# Altium PCB LAY-94611_B.PcbDoc (part 1 of 16) (continued)
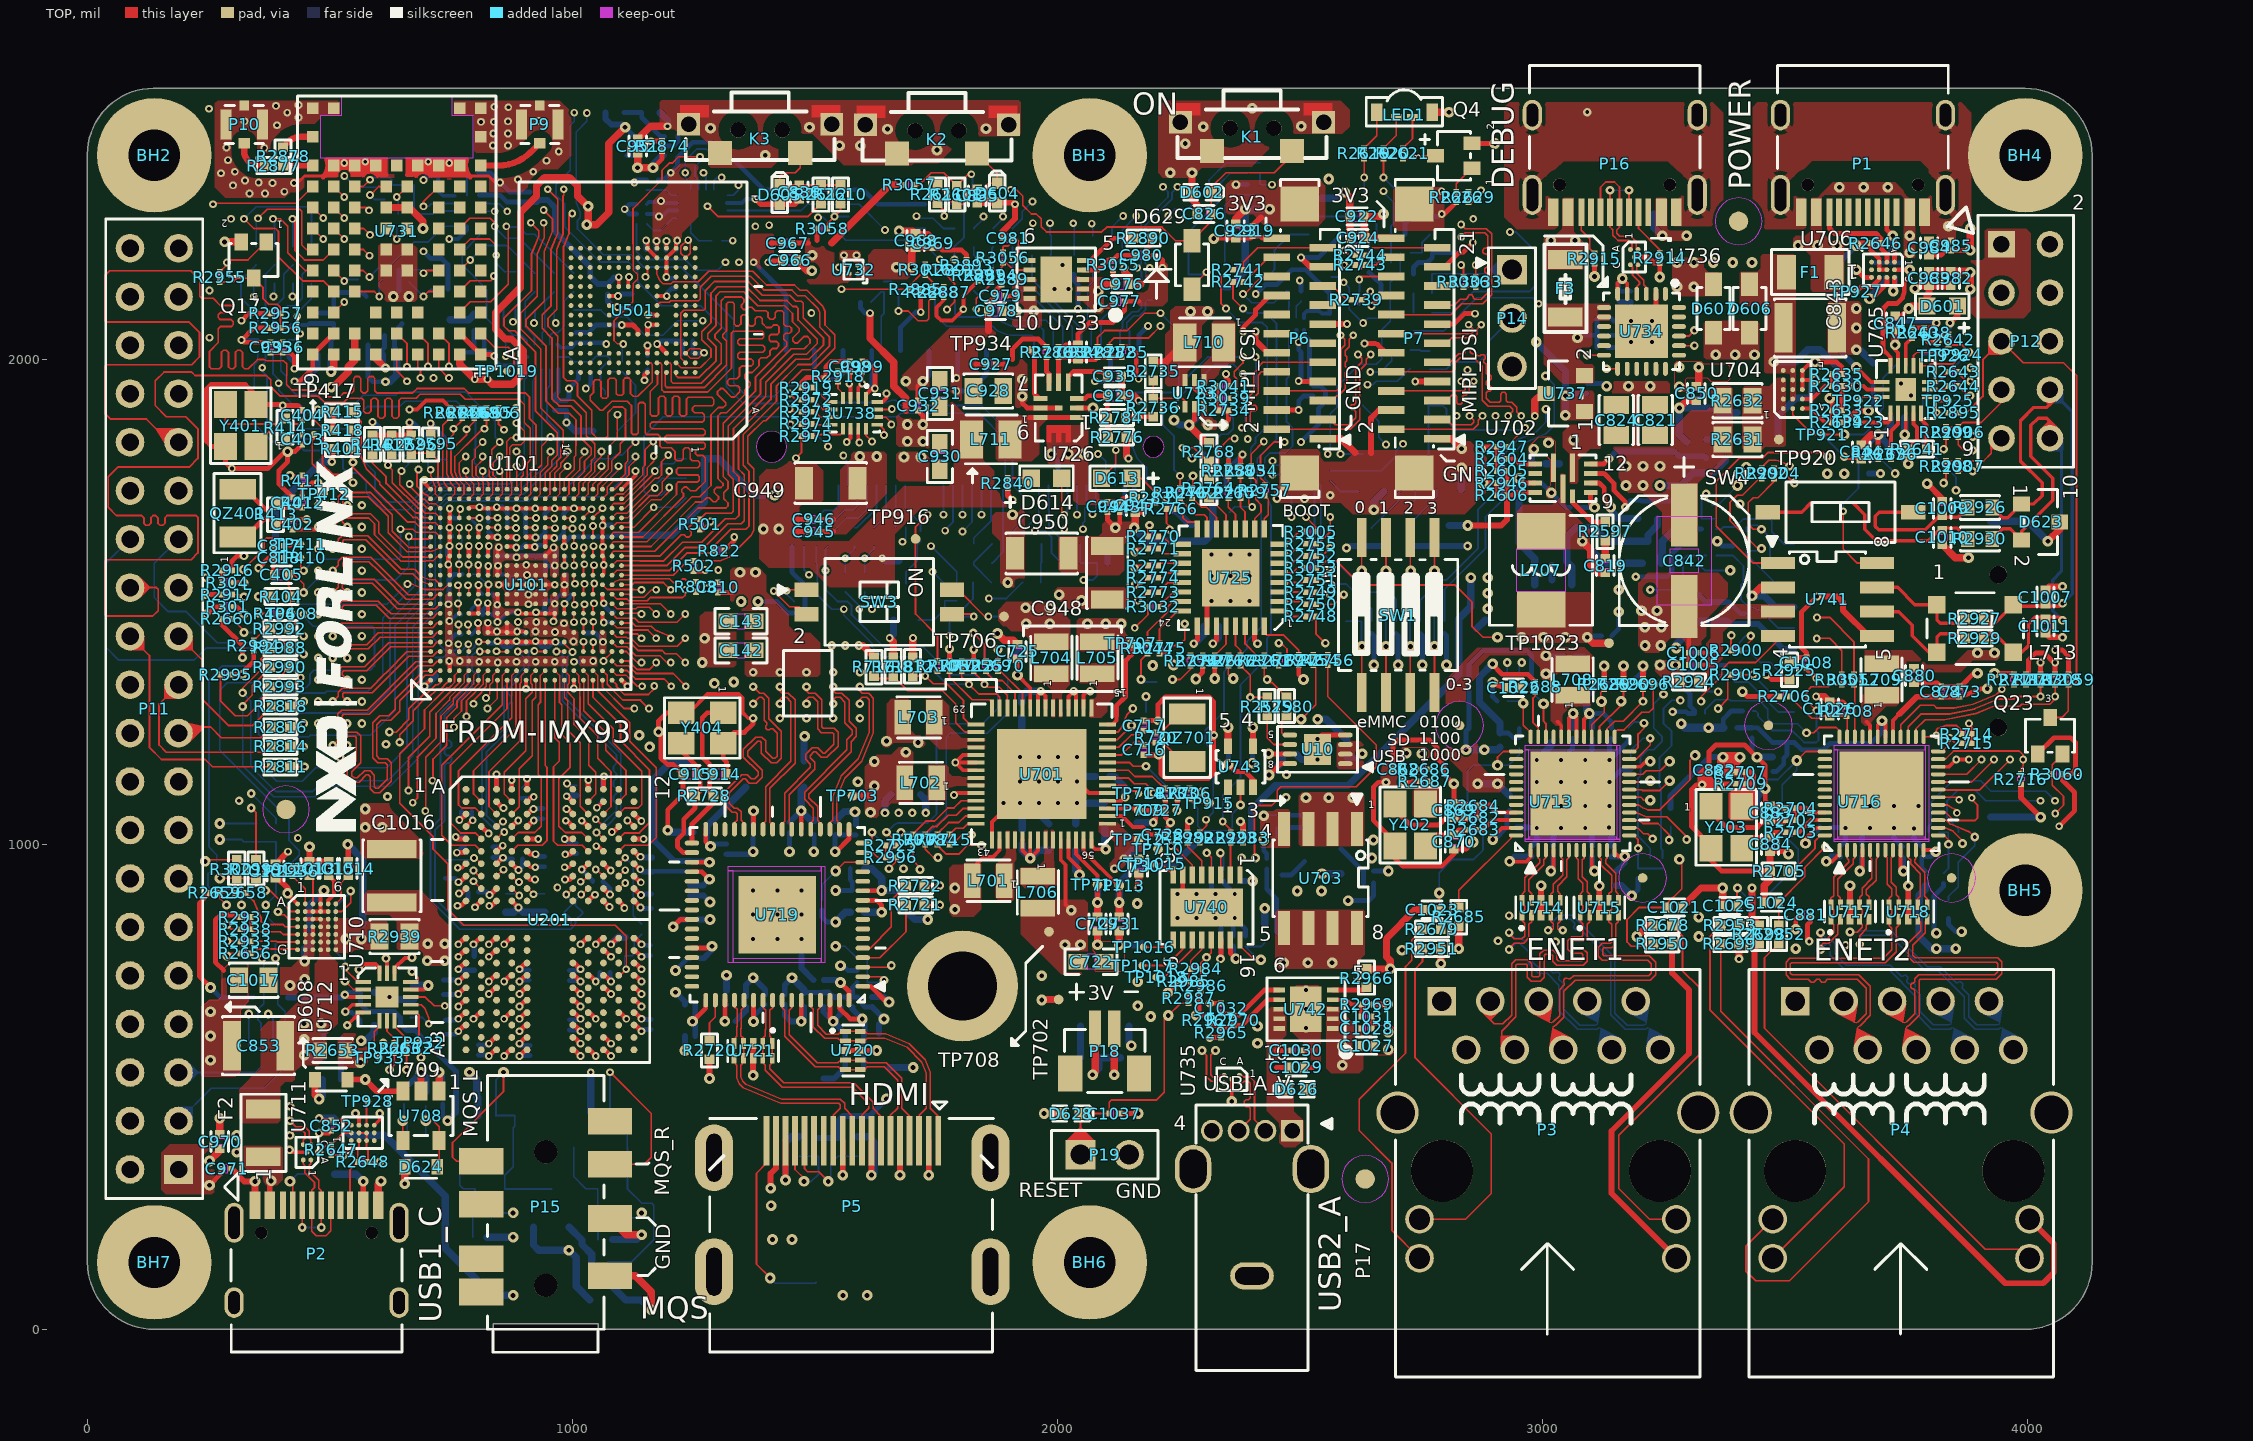
[diagram p0: TOP view]
## Components (designator, comment, footprint, x,y, rotation, side; value= is the part's Value field where it differs from the comment)
BH1 "SMTSO-M2.5-5ET" MH244-166T_202H 1804.49,707.92 r180 bottom
BH2 "MOUNTING HOLE" HOLE2_7_6 137.8,2421.26 r0 top
BH3 "MOUNTING HOLE" HOLE2_7_6 2066.93,2421.26 r0 top
BH4 "MOUNTING HOLE" HOLE2_7_6 3996.06,2421.25 r0 top
BH5 "MOUNTING HOLE" HOLE2_7_6 3996.06,905.51 r0 top
BH6 "MOUNTING HOLE" HOLE2_7_6 2066.93,137.79 r0 top
BH7 "MOUNTING HOLE" HOLE2_7_6 137.8,137.79 r0 top
C101 "1uF" C0201 836.43,1556.81 r0 bottom
C102 "1uF" C0201 834.25,1595.58 r0 bottom
C106 "1uF" C0201 933.76,1554.63 r0 bottom
C107 "1uF" C0201 866.96,1541.77 r270 bottom
C108 "10uF" C0402 866.8,1491.18 r90 bottom
C109 "1uF" C0201 933.86,1574.07 r0 bottom
C110 "1uF" C0201 865.93,1584.47 r270 bottom
C111 "1uF" C0201 888,1557.4 r90 bottom
C114 "1uF" C0201 891.25,1514.8 r270 bottom
C116 "1uF" C0201 886.76,969.85 r180 bottom
C117 "1uF" C0201 1052.48,923.5 r0 bottom
C118 "1uF" C0201 782.8,1557 r180 bottom
C119 "1uF" C0201 1173.85,2081.48 r270 bottom
C124 "10uF" C0402 942.81,1517.22 r90 bottom
C129 "1uF" C0201 1081.28,1648.09 r270 bottom
C130 "1uF" C0201 903.02,1629.11 r270 bottom
C131 "1uF" C0201 824.93,1474.25 r0 bottom
C132 "1uF" C0201 865.58,1642.07 r270 bottom
C134 "1uF" C0201 976.61,1593.04 r180 bottom
C135 "1uF" C0201 824.64,1516.17 r0 bottom
C136 "10uF" C0402 944.02,1421.74 r90 bottom
C137 "1uF" C0201 942.34,1469.73 r270 bottom
C138 "1uF" C0201 1022.39,1386.92 r90 bottom
C139 "1uF" C0201 795.38,901.78 r0 bottom
C140 "1uF" C0201 982.78,1424.68 r90 bottom
C141 "1uF" C0201 1160.84,781.53 r90 bottom
C142 "22uF" C0603 1347.8,1400 r0 top
C143 "22uF" C0603 1347.8,1460 r0 top
C144 "1uF" C0201 781.48,1433.19 r180 bottom
C145 "1uF" C0201 985.42,1515.28 r180 bottom
C146 "1uF" C0201 942.18,1606.38 r90 bottom
C147 "1uF" C0201 827.37,1654.71 r270 bottom
C148 "1uF" C0201 778.41,1672.61 r180 bottom
C149 "1uF" C0201 780.99,1474.25 r180 bottom
C151 "10uF" C0402 865.32,1421.62 r90 bottom
C152 "1uF" C0201 782.03,1068.26 r180 bottom
C153 "1uF" C0201 806.16,576.09 r90 bottom
C154 "1uF" C0201 993.88,627.86 r90 bottom
C155 "1uF" C0201 1072.8,2145 r90 bottom
C156 "1uF" C0201 973.09,1477 r180 bottom
C201 "10uF" C0402 1164.57,958.13 r90 bottom
C202 "10uF" C0402 734.06,705.28 r270 bottom
C203 "1uF" C0201 1212.85,2156.92 r90 bottom
C204 "1uF" C0201 1084.53,1468.44 r270 bottom
C205 "1uF" C0201 975.34,1556.65 r180 bottom
C206 "10uF" C0402 1163.75,882.82 r270 bottom
C207 "10uF" C0402 797.8,755 r270 bottom
C208 "1uF" C0201 1008.79,991.84 r270 bottom
C209 "1uF" C0201 1162.05,2226.12 r180 bottom
C210 "1uF" C0201 905.52,1466.23 r270 bottom
C211 "1uF" C0201 994.32,729.65 r90 bottom
C212 "1uF" C0201 1015.27,1436.23 r0 bottom
C213 "1uF" C0201 911.14,730.53 r90 bottom
C214 "1uF" C0201 943.14,964.29 r90 bottom
C215 "10uF" C0402 738.66,623.34 r90 bottom
C216 "1uF" C0201 1162.27,628.48 r90 bottom
C217 "1uF" C0201 836.36,983.75 r90 bottom
C218 "1uF" C0201 912.8,575 r90 bottom
C219 "1uF" C0201 1061.96,1102.72 r270 bottom
C220 "1uF" C0201 826,1425.56 r90 bottom
C221 "1uF" C0201 939.21,1063.39 r270 bottom
C222 "1uF" C0201 903.02,1423.22 r90 bottom
C401 "18pF" C0201 422.8,1705 r90 top
C402 "18pF" C0201 422.8,1660 r270 top
C403 "18pF" C0201 442.8,1835 r270 top
C404 "18pF" C0201 442.8,1885 r90 top
C405 "100nF" C0402 399.8,1556 r180 top
C501 "4.7uF" C0402 1122.8,2120 r90 bottom
C502 "220nF" C0201 943.8,1664 r270 bottom
C503 "220nF" C0201 982.3,1664 r270 bottom
C504 "10uF" C0402 1155.12,1992.82 r90 bottom
C505 "220nF" C0201 777.47,1004.56 r270 bottom
C506 "220nF" C0201 1203.68,2225.81 r180 bottom
C507 "220nF" C0201 1067.17,736.23 r0 bottom
C508 "220nF" C0201 1237.71,2012.59 r180 bottom
C509 "1uF" C0201 1237.76,2038.4 r180 bottom
C701 "10uF" C0603 1852.8,1185 r180 bottom
C702 "10uF" C0603 1852.8,1125 r180 bottom
C703 "22uF" C0603 1877.8,1015 r270 bottom
C704 "1uF" C0402 1927.8,1015 r270 bottom
C705 "22uF" C0603 1787.8,1000 r270 bottom
C706 "1uF" C0402 2092.8,1140 r180 bottom
C707 "22uF" C0603 1657.8,1130 r90 bottom
C708 "22uF" C0603 1717.8,1130 r90 bottom
C709 "10uF" C0603 2037.8,1015 r90 bottom
C710 "22uF" C0603 1712.8,1280 r270 bottom
C711 "22uF" C0603 1652.8,1280 r270 bottom
C712 "10uF" C0603 2094.8,1250 r270 bottom
C713 "10uF" C0603 2097.8,1060 r90 bottom
C714 "22uF" C0603 1987.8,1415 r0 bottom
C715 "22uF" C0603 1987.8,1360 r0 bottom
C716 "18pF" C0201 2177.8,1195 r270 top
C717 "18pF" C0201 2177.8,1245 r90 top
C718 "10uF" C0603 2036.8,1250 r270 bottom
C719 "22uF" C0603 2104.8,1360 r0 bottom
C720 "22uF" C0603 2104.8,1415 r0 bottom
C721 "10uF" C0603 1977.8,1250 r270 bottom
C722 "22uF" C0603 2069.8,758 r0 top
C723 "22uF" C0603 2095.8,841 r0 bottom
C724 "1uF" C0402 1926.8,1277 r270 bottom
C725 "4.7uF" C0402 1917.8,1398 r90 top
C726 "10uF" C0603 1982.8,1015 r270 bottom
C727 "1uF" C0201 2212.8,1070 r0 top
C728 "1uF" C0201 2217.8,1020 r0 top
C729 "4.7uF" C0402 2082.8,836 r270 top
C730 "4.7uF" C0402 2167.8,955 r270 top
C731 "4.7uF" C0402 2127.8,836 r270 top
C810 "18pF" C0201 1299.8,1530 r270 top
C813 "18pF" C0201 2222.8,1105 r270 top
C814 "100nF" C0402 410,1873 r180 bottom
C815 "100nF" C0402 2478.8,1185 r180 bottom
C817 "1uF" C0201 394.8,1616 r180 top
C818 "1uF" C0201 394.8,1591 r180 top
C819 "220nF" C0402 3129.8,1575 r270 top
C820 "10uF" C0805 3232.8,1875 r270 bottom
C821 "10uF" C0805 3232.8,1875 r90 top
C822 "100nF" C0402 3232.8,1625 r180 bottom
C823 "10uF" C0805 3152.8,1875 r270 bottom
C824 "10uF" C0805 3152.8,1875 r90 top
C825 "100nF" C0402 2992.8,1785 r180 bottom
C826 "100nF" C0402 2302.8,2300 r180 top
C827 "22uF" C0603 3087.8,1475 r0 bottom
C828 "22uF" C0603 3087.8,1535 r0 bottom
C829 "22uF" C0603 2957.8,1475 r180 bottom
C830 "22uF" C0603 2957.8,1535 r180 bottom
C831 "100nF" C0201 3132.8,1430 r0 bottom
C832 "100nF" C0402 3297.8,1815 r270 bottom
C833 "100nF" C0201 2987.8,1745 r0 bottom
C834 "1uF" C0201 3067.8,1695 r180 bottom
C835 "100nF" C0402 1835,2337.2 r270 top
C836 "100nF" C0402 1467.8,2345 r270 top
C837 "22uF" C0603 2562.8,1050 r0 bottom
C838 "1uF" C0201 2462.8,1060 r180 bottom
C839 "22uF" C0603 2545.8,826 r270 bottom
C840 "22uF" C0603 2485.8,826 r270 bottom
C842 "100uF" CCE6P3X7P7 3292.8,1585 r270 top
C843 "4.7uF" C1210 3552.8,2065 r0 top
C844 "220nF" C0402 3657.8,1809.25 r90 top
C845 "2.2uF" C0402 3727.8,1815 r0 bottom
C846 "4.7uF" C0402 3732.8,1880 r180 bottom
C847 "100nF" C0402 3727.8,2075 r270 top
C848 "100nF" C0201 3717.8,2170 r180 bottom
C849 "4.7uF" C1210 3387.8,2104.5 r270 bottom
C850 "2.2uF" C0402 3317.8,1930 r270 top
C851 "100nF" C0402 697.8,475 r270 bottom
C852 "100nF" C0201 502.8,420 r270 top
C853 "4.7uF" C1210 352.8,585 r180 top
C854 "2.2uF" C0402 576.8,626 r180 bottom
C855 "4.7uF" C0402 577.8,695 r0 bottom
C856 "100nF" C0402 672.8,695 r270 bottom
C857 "10uF" C0402 3017.8,1225 r90 bottom
C858 "100nF" C0201 3062.8,1229.25 r90 bottom
C859 "1uF" C0201 3102.8,1229.25 r90 bottom
C860 "100nF" C0201 3142.8,1229.25 r90 bottom
C861 "1uF" C0201 3142.8,985.75 r270 bottom
C862 "100nF" C0201 2977.8,985.75 r270 bottom
C863 "100nF" C0201 2937.8,1035 r0 bottom
C864 "100nF" C0201 3022.8,985.75 r270 bottom
C865 "100nF" C0201 3102.8,985.75 r270 bottom
C866 "10uF" C0402 3056.8,1346 r0 bottom
C867 "100nF" C0201 3056.8,1389 r0 bottom
C868 "1uF" C0201 2702.8,1155 r180 top
C869 "22pF" C0402 2817.8,1070 r90 top
C870 "22pF" C0402 2817.8,1005 r270 top
C871 "10uF" C0402 3475,1195 r90 bottom
C872 "100nF" C0201 3432.8,1230 r90 bottom
C873 "1uF" C0201 3860.8,1315 r90 top
C874 "100nF" C0201 3822.8,1315 r90 top
C875 "1uF" C0201 3782.8,985 r270 bottom
C876 "100nF" C0201 3614.8,985.75 r270 bottom
C877 "100nF" C0201 3659.8,985.75 r270 bottom
C878 "100nF" C0201 3582.8,1035 r0 bottom
C879 "100nF" C0201 3742.8,985 r270 bottom
C880 "10uF" C0402 3766.8,1348 r270 top
C881 "100nF" C0201 3542.8,855 r0 top
C882 "1uF" C0201 3354.8,1153 r180 top
C883 "22pF" C0402 3469.8,1065 r90 top
C884 "22pF" C0402 3469.8,1000 r270 top
C885 "10uF" C0402 1617.8,610 r0 bottom
C886 "100nF" C0201 1577.8,675 r270 bottom
C887 "10uF" C0402 1587.8,950 r180 bottom
C888 "100nF" C0201 1587.8,905 r180 bottom
C889 "10uF" C0402 1317.8,684.25 r270 bottom
C890 "100nF" C0201 1357.8,675.75 r270 bottom
C891 "10uF" C0402 1587.8,860 r180 bottom
C892 "100nF" C0201 1242.8,670 r180 bottom
C893 "100nF" C0201 1507.8,720 r180 bottom
C894 "100nF" C0201 1242.8,955 r90 bottom
C895 "100nF" C0201 1242.8,605 r180 bottom
C896 "10uF" C0402 1262.8,1025 r180 bottom
C897 "100nF" C0201 1317.8,990 r90 bottom
C898 "10uF" C0402 1498.8,1035 r90 bottom
C899 "100nF" C0201 1447.8,1035 r90 bottom
C900 "100nF" C0201 1247.8,845 r0 bottom
C901 "10uF" C0402 1517.8,680 r270 bottom
C902 "100nF" C0201 1552.8,675 r270 bottom
C903 "10uF" C0402 1542.8,1035 r270 bottom
C904 "100nF" C0201 1584.8,1030 r270 bottom
C905 "100nF" C0201 1372.8,1025 r90 bottom
C906 "100nF" C0201 1242.8,905 r90 bottom
C907 "100nF" C0201 1252.8,765 r180 bottom
C908 "10uF" C0402 1477.8,680 r270 bottom
C909 "100nF" C0201 1397.8,680 r270 bottom
C910 "100nF" C0201 1437.8,680 r270 bottom
C911 "100nF" C0201 1602.8,125 r270 bottom
C912 "10uF" C0402 1567.8,125 r270 bottom
C913 "1uF" C0402 1447.8,235 r90 bottom
C914 "15pF" C0402 1302.8,1145 r180 top
C915 "15pF" C0402 1242.8,1145 r0 top
C916 "1uF" C0201 1597.8,715 r180 bottom
C917 "10uF" C0402 2302.8,1900 r180 bottom
C918 "10uF" C0402 2301.8,2061 r0 bottom
C919 "100nF" C0201 2402.8,2265 r90 top
C920 "100nF" C0201 2527.8,1935 r90 bottom
C921 "100nF" C0201 2561.8,2083.98 r90 bottom
C922 "10uF" C0402 2617.8,2295 r180 top
C923 "10uF" C0402 2367.8,2265 r90 top
C924 "10uF" C0402 2619.8,2250.5 r180 top
C925 "100nF" C0402 2317.8,1450 r180 bottom
C926 "100nF" C0201 2324.8,1379 r270 top
C927 "100nF" C0201 1862.8,1990 r180 top
C928 "47uF" C0805 1857.8,1935 r180 top
C929 "1000pF" C0402 2117.8,1925 r180 top
C930 "22uF" C0603 1757.8,1800 r270 top
C931 "22uF" C0603 1757.8,1930 r90 top
C932 "100nF" C0201 1712.8,1905 r90 top
C933 "1000pF" C0402 2117.8,1965 r0 top
C934 "100nF" C0402 2042.8,2015 r90 top
C935 "1uF" C0201 377.8,2025 r90 top
C936 "10nF" C0201 402.8,2025 r90 top
C937 "10nF" C0201 482.8,2085 r270 bottom
C938 "1uF" C0201 457.8,2085 r270 bottom
C939 "1uF" C0201 962.8,1905 r90 bottom
C940 "10nF" C0201 987.8,1905 r90 bottom
C941 "1uF" C0201 1032.8,2045 r270 bottom
C942 "10nF" C0201 1007.8,2045 r270 bottom
C943 "100nF" C0201 2128.8,1696 r90 top
C944 "100nF" C0201 2103.8,1696 r90 top
C945 "100nF" C0201 1497.8,1645 r0 top
C946 "100nF" C0201 1497.8,1670 r0 top
C947 "10uF" C0402 2160.8,1699 r90 top
C948 "100uF" C1206 2102.8,1560 r270 top
C949 "100uF" C1206 1532.8,1745 r0 top
C950 "100uF" C1206 1967.8,1600 r180 top
C951 "10uF" C0402 1135,2440 r90 top
C952 "10uF" C0402 1072.8,2275 r0 bottom
C953 "100nF" C0201 1072.8,2310 r0 bottom
C954 "22uF" C0603 747.8,2055 r270 bottom
C955 "22uF" C0603 687.8,2055 r270 bottom
C956 "1uF" C0201 807.8,2060 r0 bottom
C957 "100nF" C0201 807.8,2015 r0 bottom
C958 "100nF" C0201 507.8,2085 r270 bottom
C959 "10uF" C0402 487.8,2010 r180 bottom
C960 "22uF" C0603 1412.8,1585 r90 bottom
C961 "22uF" C0603 592.8,2090 r0 bottom
C962 "1uF" C0201 567.8,2005 r0 bottom
C963 "100nF" C0201 567.8,2030 r0 bottom
C964 "100nF" C0201 622.8,2050 r0 bottom
C965 "10uF" C0402 622.8,2010 r0 bottom
C966 "10uF" C0402 1447.8,2205 r180 top
C967 "100nF" C0201 1442.8,2240 r180 top
C968 "10uF" C0402 1707.8,2245 r90 top
C969 "100nF" C0201 1742.8,2240 r90 top
C970 "10uF" C0402 272.8,387 r90 top
C971 "100nF" C0201 286.8,331 r0 top
C972 "10uF" C0402 362.8,420 r0 bottom
C973 "100nF" C0201 362.8,385 r0 bottom
C976 "10uF" C0402 2132.8,2155 r0 top
C977 "100nF" C0201 2127.8,2120 r0 top
C978 "10uF" C0402 1872.8,2100 r180 top
C979 "100nF" C0201 1882.8,2131.5 r180 top
C980 "100nF" C0201 2172.8,2215 r0 top
C981 "100nF" C0201 1897.8,2250 r180 top
C982 "10uF" C0402 3842.8,2167 r270 top
C983 "100nF" C0402 3797.8,2167 r270 top
C984 "10uF" C0402 3797.8,2230 r90 top
C985 "100nF" C0201 3842.8,2235 r90 top
C986 "22uF" C0603 3323.43,1487 r270 bottom
C987 "100nF" C0201 3418.43,1465 r270 bottom
C988 "22uF" C0805 1082.8,290 r0 bottom
C989 "100uF" C1206 1057.8,375 r0 bottom
C990 "33nF" C0402 1067.8,185 r0 bottom
C991 "22uF" C0805 829.8,290 r0 bottom
C992 "100uF" C1206 822.8,375 r0 bottom
C993 "33nF" C0402 809.36,190 r0 bottom
C994 "4.7uF" C0402 3127.8,2085 r0 bottom
C995 "100nF" C0201 3157.8,2130 r90 bottom
C996 "100nF" C0201 3123.55,2050 r0 bottom
C997 "1uF" C0201 3182.8,2130 r90 bottom
C998 "100nF" C0201 1572.8,1985 r90 top
C999 "100nF" C0201 1597.8,1985 r90 top
C1000 "2.2uF" C0201 3092.8,1940 r270 bottom
C1001 "1uF" C0201 3123.55,2025 r0 bottom
C1005 "1uF" C0201 3312.8,1370 r180 top
C1006 "100nF" C0201 3312.8,1395 r180 top
C1007 "56PF" C0402 4037.8,1510 r270 top
C1008 "1uF" C0201 3545,1375 r270 top
C1009 "56pF" C0402 3824.8,1693 r90 top
C1010 "56pF" C0402 3824.8,1633 r270 top
C1011 "56PF" C0402 4037.8,1450 r270 top
C1012 "100nF" C0402 387.8,945 r90 top
C1013 "1nF" C0402 457.8,950 r90 top
C1014 "10nF" C0402 537.8,950 r90 top
C1015 "4.7uF" C0402 497.8,950 r90 top
C1016 "10uF" C1210 627.8,935 r90 top
C1017 "47uF" C0805 342.8,720 r180 top
C1018 "100nF" C0402 457.8,810 r270 bottom
C1019 "100nF" C0201 2431.8,960 r90 bottom
C1021 "470pF" C0402 3272.8,870 r0 top
C1022 "18pF" C0402 2940.8,1323 r180 top
C1023 "470pF" C0402 2772.8,865 r180 top
C1024 "470pF" C0402 3472.8,880 r180 top
C1025 "470pF" C0402 3386.8,873 r180 top
C1026 "18pF" C0402 3592.8,1279.25 r90 top
C1027 "10uF" C0402 2637.8,585 r0 top
C1028 "100nF" C0201 2637.8,620 r0 top
C1029 "10uF" C0402 2492.8,540 r0 top
C1030 "100nF" C0201 2492.8,575 r0 top
C1031 "100nF" C0201 2637.8,645 r0 top
C1032 "100nF" C0201 2337.8,662 r90 top
C1033 "47uF" C0805 2375.8,695 r90 bottom
C1034 "100nF" C0201 2362.8,800 r270 bottom
C1035 "100nF" C0201 2387.8,800 r270 bottom
C1036 "100nF" C0201 2337.8,800 r270 bottom
C1037 "100nF" C0201 2117.8,445 r180 top
C1038 "100nF" C0201 2352.8,1205 r90 bottom
C1041 "1uF" C0201 887.8,2335 r270 bottom
C1042 "10nF" C0201 912.8,2335 r270 bottom
C1043 "1uF" C0201 722.8,2390 r270 bottom
C1044 "100nF" C0201 1142.8,2320 r180 bottom
C1045 "1uF" C0201 2392.8,2395 r90 bottom
C1047 "100nF" C0201 1142.8,2300 r180 bottom
C1048 "1000pF" C1206 2735.3,900 r90 bottom
C1049 "1000pF" C1206 3347.8,1020 r90 bottom
D601 "LED RED" LED0603 3825,2110 r180 top
D602 "ESD5451N-2/TR" 0402TVS 2297.79,2344.99 r180 top
D603 "BZX585-B3V3" SOD523 3452.8,1834.8 r0 bottom
D604 "ESD5451N-2/TR" 0402TVS 1876.01,2343.19 r270 top
D605 "ESD5451N-2/TR" 0402TVS 1427.81,2339.99 r270 top
D606 "BAT54HT1" SOD323 3427.8,2105 r0 top
D607 "BAT54HT1" SOD323 3352.8,2105 r0 top
D608 "BZX585-B3V3" SOD523 502.8,514.8 r180 top
D609 "ESD5451N-2/TR" 0402TVS 1487.79,224.99 r90 bottom
D610 "ESD5341N" 0402TVS 1587.81,376.81 r270 bottom
D611 "ESD5341N" 0402TVS 1467.81,376.81 r270 bottom
D612 "ESD5341N" 0402TVS 1462.81,115.01 r270 bottom
D613 "LED GREEN" LED0603 2122.8,1755 r180 top
D614 "LED_ORANGE" LED0603 1977.8,1755 r0 top
D615 "ESD5451N-2/TR" 0402TVS 3378.44,1480.01 r270 bottom
D616 "PUSB3AB6Z" DFN2111_7 3385.44,1379.08 r0 bottom
D617 "PUSB3AB6Z" DFN2111_7 3400.44,1625.08 r0 bottom
D618 "BAT54S" SOT23_A 1072.8,100 r180 bottom
D619 "ESD5451N-2/TR" 0402TVS 1057.79,485.01 r180 bottom
D620 "ESD5451N-2/TR" 0402TVS 822.59,480.01 r180 bottom
D621 "BAT54S" SOT23_A 956.8,250 r180 bottom
D623 "PSM712-LF-T7" SOT23_A 4027.8,1665 r270 top
D624 "RB521S-30" SOD523 687.8,335 r180 top
D626 "ESD5451N-2/TR" 0402TVS 2492.81,495.01 r0 top
D627 "BAT54HT1" SOD323 2097.8,625 r270 bottom
D628 "ESD5451N-2/TR" 0402TVS 2027.79,444.99 r180 top
D629 "BAT54HT1" SOD323 2277.8,2195 r180 top
F1 "7A" FUSE_3P4X1P8 3552.8,2180 r180 top
F2 "7A" FUSE_3P4X1P8 362.8,405 r90 top
F3 "FUSE_0.5A" F1206 3047.8,2146.99 r270 top
F5 "FUSE_0.04A" F0603 1567.8,246 r180 bottom
FB16 "1000Ohm" FB0603 1347.8,1460 r180 bottom
FB17 "120 Ohm" FB0402 2912.8,1215 r270 bottom
FB18 "120 Ohm" FB0402 3152.8,930 r270 bottom
FB19 "120 Ohm" FB0402 2932.8,1085 r90 bottom
FB20 "120 Ohm" FB0402 3388.04,1240.51 r0 bottom
FB21 "120 Ohm" FB0402 3789.8,930 r270 bottom
FB22 "120 Ohm" FB0402 3532.8,870 r270 bottom
FB23 "120 Ohm" FB0603 1627.8,540 r180 bottom
FB24 "120 Ohm" FB0603 1692.8,885 r270 bottom
FB25 "120 Ohm" FB0603 1379.8,576 r180 bottom
FB26 "120 Ohm" FB0603 1267.8,1170 r180 bottom
FB27 "120 Ohm" FB0603 1357.8,1145 r90 bottom
FB28 "120 Ohm" FB0603 1477.8,1145 r90 bottom
FB29 "120 Ohm" FB0603 1517.8,490 r270 bottom
FB30 "120 Ohm" FB0603 1417.8,1145 r90 bottom
FB31 "120 Ohm" FB0603 1494.8,576 r0 bottom
K1 "KEY_3_5X7" KEY_3_5X7 2401.58,2481.02 r180 top
K2 "KEY_3_5X7" KEY_3_5X7 1751.98,2475.9 r180 top
K3 "KEY_3_5X7" KEY_3_5X7 1387.34,2477.08 r180 top
L701 "0.47uH" IND_2016A 1857.8,924.92 r180 top
L702 "0.47uH" IND_2016A 1718.8,1126.92 r180 top
L703 "0.47uH" IND_2016A 1713.8,1261.92 r180 top
L704 "0.47uH" IND_2016A 1987.72,1385 r90 top
L705 "0.47uH" IND_2016A 2082.72,1385 r90 top
L706 "0.47uH" IND_2016A 1959.88,901 r270 top
L707 "1.5uH" IND_0518 2997.8,1565 r270 top
L708 "2.2uH" IND_2016A 3062.72,1340 r90 top
L709 "2.2uH" IND_2016A 3699.72,1340 r90 top
L710 "1.0uH" IND_SPH2520 2302.8,2035 r180 top
L711 "0.47uH" IND_SPH2520 1862.8,1835 r180 top
L712 "1.0uH" IND_SPH2520 1057.8,2400 r90 bottom
L713 "DLW43SH510XK2" IND_DLW43 3892.8,1445 r0 top
LED1 "RGB_LED" SMD_RGB_1_5X3 2715.8,2514.72 r180 top
MG1 "Do Not Trash" ASH-BIN-V2 2537.02,529.08 r180 bottom
P1 "Type_C_16P" TYPEC_16P_S 3661.42,2450.78 r180 top
P2 "Type_C_16P" TYPEC_16P_S 472.44,108.27 r0 top
P3 "FC-H021LNL" RJ45-GIGABIT 3011.8,321.84 r180 top
P4 "FC-H021LNL" RJ45-GIGABIT 3740.16,321.84 r180 top
P5 "HDMI_A" HDMIA19_HDMI_01A 1577.4,170.18 r180 top
P6 "FPC_22P_0_5" FPC_22P_0_5 2500,2044.78 r90 top
P7 "FPC_22P_0_5" FPC_22P_0_5 2736.22,2044.78 r90 top
P8 "M.2 SKT KEY-E" CON_75_0P5_22X9_RA1 1804.49,1882.13 r180 bottom
P9 "U_FL" IPEX_4 932.8,2484.5 r90 top
P10 "U_FL" IPEX_4 323.3,2484.5 r90 top
P11 "TSM-120-01-F-DV-A" HDR220_TSM_A_SM 137.8,1279.53 r90 top
P12 "Header-5x2-2.54" HEADER5X2_25 3997.14,2037.61 r270 top
P13 "CONN_SD_CARD 9" CON9_SDCARD_1P1MM 3802.9,1361.38 r90 bottom
P14 "Header-5x1-2.54" HEADER_2_54_3P 2937.71,2085.33 r270 top
P15 "PJ_3536X" PJ3930_8P 944.88,238.18 r90 top
P16 "Type_C_16P" TYPEC_16P_S 3149.62,2450.78 r180 top
P17 "USB_A_V" USB_A_V 2401.57,188.98 r0 top
P18 "JST_SH_2P" SH_2P 2097.8,572.76 r0 top
P19 "Header-2x1-2.54" HEADER_2X1_254 2097.8,360 r0 top
Q1 "L2SK3018WT1G" SC70_3 2547.8,965 r90 bottom
Q2 "L2SK3018WT1G" SC70_3 2632.8,2296 r180 bottom
Q3 "L2SK3018WT1G" SC70_3 2742.8,2295 r180 bottom
Q4 "L2SK3018WT1G" SC70_3 2817.8,2420 r90 top
Q5 "L2SK3018WT1G" SC70_3 2517.8,2295 r0 bottom
Q6 "L2SK3018WT1G" SC70_3 3592.8,1895 r270 bottom
Q7 "L2SK3018WT1G" SC70_3 3707.8,2030 r180 bottom
Q8 "L2SK3018WT1G" SC70_3 1687.8,1500 r180 bottom
Q9 "L2SK3018WT1G" SC70_3 2807.8,1695 r0 bottom
Q15 "L2SK3018WT1G" SC70_3 2647.8,1690 r0 bottom
Q16 "L2SK3018WT1G" SC70_3 2317.8,1685 r270 bottom
Q17 "L2SK3018WT1G" SC70_3 342.8,2205 r180 top
Q18 "L2SK3018WT1G" SC70_3 1067.8,1890 r180 bottom
Q21 "CJ2101" SC70_3 2307.8,2285 r270 bottom
Q22 "L2SK3018WT1G" SC70_3 2307.8,2175 r90 bottom
Q23 "L2SK3018WT1G" SC70_3 4047.5,1224 r0 top
QZ401 "32.768KHZ" XTAL2-3P2X1P5-SM 309.58,1683.08 r90 top
QZ701 "32.768KHZ" XTAL2-3P2X1P5-SM 2267.78,1220 r270 top
R111 "0R" R0603 1347.8,1400 r180 bottom
R145 "10K" R0201 2402.8,1205 r270 bottom
R201 "10K" R0402 1107.84,790.2 r270 bottom
R204 "120R" R0402 717.84,1365.14 r90 bottom
R205 "150R" R0402 1003,859.96 r0 bottom
R207 "10K" R0402 862.84,880.2 r270 bottom
R208 "10K" R0402 942.84,880.2 r270 bottom
R209 "240 OHM" R0201 895.37,1105.68 r270 bottom
R210 "0R" R0402 737.84,950.2 r270 bottom
R301 "0R" R0201 287.8,1490 r180 top
R302 "200R" R0201 756.13,1515.37 r0 bottom
R303 "200R" R0201 752.34,1595.66 r180 bottom
R304 "0R" R0201 287.8,1540 r180 top
R305 "200R" R0201 761.3,1634.99 r180 bottom
R310 "10K" R0402 1252.6,1755.04 r180 bottom
R311 "10K" R0402 1252.6,1795.04 r180 bottom
R312 "4.7K" R0402 1252.6,1715.04 r180 bottom
R401 "100K" R0402 525,1816.04 r0 top
R403 "10K" R0402 2752.6,2176.54 r180 bottom
R404 "100K" R0402 400,1511.04 r0 top
R405 "100K" R0402 661.96,1819.8 r90 bottom
R406 "0R" R0201 386.31,1476 r0 top
R411 "0R" R0201 442.8,1750 r270 top
R412 "0R" R0201 442.8,1705 r270 top
R413 "4.7M" R0402 387.84,1679.8 r270 top
R414 "510K" R0402 407.76,1860.2 r90 top
R415 "100K" R0402 524.6,1891.96 r180 top
R416 "100K" R0402 587.76,1825.2 r90 top
R417 "100K" R0402 627.76,1825.2 r90 top
R418 "100K" R0402 524.6,1853.96 r180 top
R501 "10K" R0201 1262.8,1660 r90 top
R502 "10K" R0201 1249.8,1574.49 r90 top
R605 "1K" R0402 3785.04,2035.2 r270 bottom
R702 "0R" R0603 1967.8,885 r180 bottom
R703 "100K" R0201 2247.8,1105 r90 top
R704 "0R" R0603 1872.8,885 r0 bottom
R705 "100K" R0201 1777.8,1368 r270 top
R706 "0R" R0201 2272.8,1105 r90 top
R707 "0R" R0201 1702.8,1010 r90 top
R708 "0R" R0201 1727.8,1010 r90 top
R709 "0R" R0603 1586.8,1194 r270 bottom
R710 "0R" R0201 1752.8,1368 r270 top
R712 "1.5K" R0201 1802.8,1368 r270 top
R713 "1.5K" R0201 1827.8,1368 r270 top
R714 "0R" R0201 1752.8,1010 r90 top
R715 "0R" R0201 1777.8,1010 r90 top
R716 "0R" R0402 1621.84,1365.2 r270 top
R718 "0R" R0402 1661.76,1367.2 r90 top
R720 "1M" R0201 2202.8,1220 r90 top
R723 "0R" R0402 2182.84,1255.2 r270 bottom
R803 "0R" R0201 1254.8,1531 r270 top
R806 "0R" R0201 847.8,1890 r270 top
R812 "1K" R0402 1701.76,1367.2 r90 top
R816 "1K" R0402 2596.76,1195.8 r90 bottom
R822 "47K" R0201 1302.8,1606 r180 top
R2569 "0R" R0201 1852.8,1368 r270 top
R2570 "0R" R0201 1877.8,1368 r270 top
R2579 "0R" R0402 2432.76,1285.2 r90 top
R2580 "0R" R0402 2472.76,1285.2 r90 top
R2581 "4.7K" R0201 2627.8,1605 r90 bottom
R2582 "4.7K" R0201 2677.8,1605 r90 bottom
R2583 "4.7K" R0201 2727.8,1605 r90 bottom
R2584 "4.7K" R0201 2777.8,1605 r90 bottom
R2585 "100K" R0402 741.96,1811.8 r90 bottom
R2586 "1K" R0201 2637.8,1460 r0 bottom
R2587 "1K" R0201 2687.8,1460 r0 bottom
R2588 "20K" R0402 702.04,1820.2 r270 bottom
R2589 "1K" R0201 2737.8,1460 r0 bottom
R2590 "1K" R0201 2787.8,1460 r0 bottom
R2591 "100K" R0201 2637.8,1435 r0 bottom
R2592 "100K" R0201 2687.8,1435 r0 bottom
R2593 "100K" R0201 2737.8,1435 r0 bottom
R2594 "100K" R0201 2787.8,1435 r0 bottom
R2595 "100K" R0402 707.84,1824.8 r270 top
R2596 "100K" R0402 667.76,1825.2 r90 top
R2597 "3.3R" R0402 3129.84,1644.8 r270 top
R2598 "10K" R0402 3377.76,1814.8 r90 bottom
R2599 "10K" R0402 3337.76,1814.8 r90 bottom
R2600 "1M" R0402 3227,1579.96 r0 bottom
R2601 "41.2K" R0402 3237.84,1690.2 r270 bottom
R2602 "1M" R0402 3277.84,1690.2 r270 bottom
R2603 "5.6K" R0402 3197.76,1689.8 r90 bottom
R2604 "100K" R0201 2916.8,1795 r0 top
R2605 "100K" R0201 2916.8,1770 r180 top
R2606 "100K" R0201 2916.8,1720 r180 top
R2607 "10K" R0201 2462.8,1035 r180 bottom
R2608 "0R" R0402 1792.76,2340.2 r90 top
R2609 "330R" R0402 2462.76,954.8 r90 bottom
R2610 "0R" R0402 1552.84,2339.8 r270 top
R2611 "0R" R0402 1752.88,2340.14 r270 top
R2612 "0R" R0402 1512.84,2339.8 r270 top
R2613 "1K" R0201 2641.8,920 r180 bottom
R2614 "10K" R0201 2641.8,945 r180 bottom
R2619 "4.7K" R0201 2632.8,2425 r270 top
R2620 "4.7K" R0201 2672.8,2425 r270 top
R2621 "4.7K" R0201 2712.8,2425 r270 top
R2622 "10K" R0201 2442.8,2165 r270 bottom
R2623 "1K" R0201 2677.8,2200 r180 bottom
R2624 "10K" R0201 2642.8,2190 r90 bottom
R2625 "10K" R0201 2762.8,2220 r0 bottom
R2626 "10K" R0201 2822.8,2335 r270 top
R2627 "1K" R0201 2717.8,2220 r0 bottom
R2628 "10K" R0201 2615,2205 r270 bottom
R2629 "1K" R0201 2847.8,2335 r90 top
R2630 "1M" R0201 3607.8,1945 r180 top
R2631 "0R" R0805 3402.8,1835 r180 top
R2632 "0R" R0805 3402.8,1915 r180 top
R2633 "100K" R0201 3607.8,1895 r180 top
R2634 "100K" R0201 3607.8,1870 r180 top
R2635 "100K" R0201 3607.8,1970 r0 top
R2636 "10K" R0201 3719.05,1805 r270 top
R2637 "100K" R0201 3692.8,1805 r90 top
R2638 "10K" R0201 3787.8,2055 r90 top
R2639 "100K" R0201 3692.8,1945 r0 bottom
R2640 "0R" R0201 3762.8,2055 r90 top
R2641 "10K" R0402 3772.8,1815 r180 top
R2642 "10K" R0201 3837.8,2041 r270 top
R2643 "0R" R0201 3847.8,1974.5 r0 top
R2644 "0R" R0201 3847.8,1945 r0 top
R2645 "0R" R0201 3717.8,2210 r90 bottom
R2646 "0R" R0201 3687.8,2240 r180 top
R2647 "0R" R0201 502.8,370 r90 top
R2648 "0R" R0201 567.8,345 r0 top
R2649 "1.2M" R0402 677.6,400.04 r180 bottom
R2650 "1K" R0201 732.8,475 r270 bottom
R2651 "4.7K" R0402 508,559.96 r0 bottom
R2652 "1M" R0402 508,599.96 r0 bottom
R2653 "47K" R0603 505.8,575 r0 top
R2654 "324K" R0402 502.6,515.04 r180 bottom
R2655 "249K" R0402 652.84,485.2 r270 bottom
R2656 "0R" R0201 325.8,775 r0 top
R2658 "0R" R0201 315.8,900 r180 top
R2659 "10K" R0201 262.8,900 r0 top
R2660 "10K" R0201 287.8,1465 r0 top
R2661 "10K" R0201 655.8,643 r0 bottom
R2662 "0R" R0201 657.8,580 r270 top
R2663 "0R" R0201 632.8,580 r270 top
R2664 "0R" R0402 388.76,947.8 r90 bottom
R2665 "1.5K" R0201 822.8,1890 r270 top
R2666 "0R" R0402 348.76,947.8 r90 bottom
R2667 "0R" R0402 407.76,596.8 r90 bottom
R2668 "0R" R0402 407.76,558.8 r90 bottom
R2669 "1.5K" R0201 797.8,1890 r270 top
R2670 "0R" R0402 387.84,815.2 r270 bottom
R2671 "0R" R0402 357.76,596.8 r90 bottom
R2672 "0R" R0402 357.76,558.8 r90 bottom
R2673 "0R" R0402 347.84,815.2 r270 bottom
R2674 "1.5K" R0201 747.8,1890 r270 top
R2675 "1.5K" R0201 402.8,684 r0 bottom
R2676 "1.5K" R0201 772.8,1890 r270 top
R2677 "1.5K" R0201 352.8,684 r180 bottom
R2678 "330R" R0402 3247.6,832.86 r180 top
R2679 "0R" R0402 2773,825.04 r0 top
R2680 "10K" R0201 2977.8,1340 r90 bottom
R2681 "10K" R0201 3197.8,940 r270 bottom
R2682 "0R" R0201 2857.8,1055 r0 top
R2683 "0R" R0201 2857.8,1030 r0 top
R2684 "0R" R0201 2857.8,1080 r180 top
R2685 "2.49K" R0402 2827.84,849.8 r270 top
R2686 "0R" R0201 2756.8,1155 r0 top
R2687 "0R" R0201 2757.8,1130 r180 top
R2688 "4.7K" R0201 2985.8,1325 r90 top
R2689 "4.7K" R0201 3127.76,1330.71 r90 top
R2690 "4.7K" R0201 3167.76,1330.71 r90 top
R2691 "2.2K" R0402 3264.84,1057.2 r270 bottom
R2692 "4.7K" R0201 3282.8,1340 r0 bottom
R2693 "4.7K" R0201 3177.8,1230 r90 bottom
R2694 "4.7K" R0201 3182.8,1165 r90 bottom
R2695 "4.7K" R0201 2917.8,1295 r180 bottom
R2696 "4.7K" R0201 3207.76,1330.71 r90 top
R2697 "4.7K" R0201 2952.8,1210 r270 bottom
R2698 "330R" R0402 3447.76,815.2 r90 top
R2699 "330R" R0402 3388,795.04 r0 top
R2700 "10K" R0201 3423.43,1275 r0 bottom
R2701 "10K" R0201 3827.8,930 r270 bottom
R2702 "0R" R0201 3512.8,1050 r0 top
R2703 "0R" R0201 3512.8,1025 r0 top
R2704 "0R" R0201 3512.8,1075 r180 top
R2705 "2.49K" R0402 3487.6,944.96 r180 top
R2706 "4.7K" R0201 3500,1305 r180 top
R2707 "0R" R0201 3408.8,1149 r0 top
R2708 "4.7K" R0201 3627.8,1275 r90 top
R2709 "0R" R0201 3409.8,1125 r180 top
R2710 "4.7K" R0201 3997.8,1340 r90 top
R2711 "4.7K" R0201 3972.8,1340 r90 top
R2712 "4.7K" R0201 4027.8,1340 r90 top
R2713 "2.2K" R0402 3837.76,864.8 r90 bottom
R2714 "4.7K" R0201 3875,1227.5 r0 top
R2715 "4.7K" R0201 3875,1208.5 r0 top
R2716 "4.7K" R0201 3987.29,1134.49 r270 top
R2717 "4.7K" R0201 3325,1270 r180 bottom
R2718 "4.7K" R0201 4057.8,1340 r90 top
R2719 "4.7K" R0201 3465,1150 r0 bottom
R2720 "698R" R0402 1282.84,574.8 r270 top
R2721 "33R" R0402 1708,875.04 r0 top
R2722 "33R" R0402 1708,915.04 r0 top
R2724 "10K" R0201 1515,875 r90 bottom
R2725 "0R" R0201 1656.8,998 r0 top
R2726 "0R" R0201 1664.8,1001 r0 bottom
R2727 "10K" R0201 1617.8,675 r90 bottom
R2728 "1M" R0402 1273,1100.04 r0 top
R2729 "10K" R0201 1597.8,740 r180 bottom
R2730 "2.2K" R0402 1547.76,374.8 r90 bottom
R2731 "0R" R0201 1597.8,765 r180 bottom
R2732 "2.2K" R0402 1507.76,374.8 r90 bottom
R2733 "41.2K" R0402 1502.76,114.8 r90 bottom
R2734 "100K" R0201 2342.8,1895 r0 top
R2735 "200K" R0402 2197.84,1974.8 r270 top
R2736 "44.2K" R0402 2197.84,1899.8 r270 top
R2738 "0R" R0201 2477.8,2130 r270 bottom
R2739 "0R" R0201 2616.8,2123 r180 top
R2740 "0R" R0201 2472.8,1935 r270 bottom
R2741 "0R" R0201 2372.8,2185 r0 top
R2742 "0R" R0201 2372.8,2160 r0 top
R2743 "0R" R0201 2624.8,2195 r0 top
R2744 "0R" R0201 2624.8,2215 r0 top
R2745 "10K" R0201 2502.8,2130 r270 bottom
R2746 "10K" R0201 2497.8,1380 r90 top
R2747 "10K" R0201 2299.8,1379 r90 top
R2748 "100R" R0201 2522.8,1470 r0 top
R2749 "100R" R0201 2522.8,1520 r0 top
R2750 "100R" R0201 2522.8,1495 r0 top
R2751 "100R" R0201 2522.8,1545 r0 top
R2752 "100R" R0201 2522.8,1595 r0 top
R2753 "0R" R0201 2274.8,1379 r90 top
R2754 "0R" R0201 2527.8,1380 r90 top
R2755 "100R" R0201 2522.8,1620 r0 top
R2756 "0R" R0201 2557.8,1380 r90 top
R2757 "100R" R0201 2427.8,1730 r90 top
R2758 "10K" R0201 2352.8,1770 r270 top
R2759 "100R" R0201 2377.8,1725 r90 top
R2760 "100R" R0201 2352.8,1725 r90 top
R2761 "0R" R0201 2426.8,1379 r90 top
R2762 "100R" R0201 2277.8,1725 r90 top
R2763 "0R" R0201 2377.8,1379 r90 top
R2764 "15K" R0402 2312.76,1735.2 r90 top
R2766 "100R" R0201 2235.46,1691.76 r180 top
R2767 "0R" R0201 2352.8,1379 r90 top
R2768 "18K" R0402 2312.76,1810.2 r90 top
R2769 "0R" R0201 2456.8,1379 r90 top
R2770 "100R" R0201 2197.8,1635 r180 top
R2771 "100R" R0201 2197.8,1610 r180 top
R2772 "100R" R0201 2197.8,1575 r180 top
R2773 "100R" R0201 2197.8,1520 r180 top
R2774 "100R" R0201 2197.8,1550 r180 top
R2775 "100R" R0201 2210.8,1404 r270 top
R2776 "187K" R0402 2122.6,1839.96 r180 top
R2781 "1K" R0201 2082.8,2015 r270 top
R2782 "1K" R0201 2107.8,2015 r270 top
R2783 "10K" R0201 2002.8,2015 r90 top
R2784 "41.2K" R0402 2123,1880.04 r0 top
R2785 "1K" R0201 2132.8,2015 r270 top
R2786 "100K" R0201 1977.8,2015 r270 top
R2788 "0R" R0402 461.76,2174.8 r90 bottom
R2789 "0R" R0402 1002.76,2119.8 r90 bottom
R2790 "0R" R0402 962.76,2119.8 r90 bottom
R2791 "0R" R0402 423.76,2174.8 r90 bottom
R2792 "0R" R0402 385.76,2174.8 r90 bottom
R2793 "0R" R0402 922.76,2119.8 r90 bottom
R2794 "0R" R0402 347.76,2174.8 r90 bottom
R2795 "0R" R0402 882.76,2122.8 r90 bottom
R2796 "0R" R0402 461.76,2214.8 r270 bottom
R2797 "0R" R0402 1002.76,2159.8 r270 bottom
R2798 "0R" R0402 423.76,2214.8 r270 bottom
R2799 "0R" R0402 962.76,2159.8 r270 bottom
R2800 "0R" R0402 385.76,2214.8 r270 bottom
R2801 "0R" R0402 922.76,2159.8 r270 bottom
R2802 "0R" R0402 347.76,2214.8 r270 bottom
R2803 "0R" R0402 2197.88,2235 r270 bottom
R2804 "0R" R0402 2157.88,2235 r270 bottom
R2805 "0R" R0402 882.76,2162.8 r270 bottom
R2806 "0R" R0402 2197.72,2140 r90 bottom
R2807 "0R" R0402 2157.72,2140 r90 bottom
R2808 "0R" R0402 2112.72,2220 r270 bottom
R2809 "0R" R0402 2055,2253.96 r0 bottom
R2810 "0R" R0402 397.8,1160 r0 bottom
R2811 "0R" R0402 397.8,1160 r180 top
R2812 "0R" R0402 1967.6,2255.04 r180 bottom
R2813 "0R" R0402 397.8,1202 r0 bottom
R2814 "0R" R0402 397.8,1202 r180 top
R2815 "0R" R0402 397.8,1242 r0 bottom
R2816 "0R" R0402 397.8,1242 r180 top
R2817 "0R" R0402 397.8,1285 r0 bottom
R2818 "0R" R0402 397.8,1285 r180 top